# Altium PCB Phone.PcbDoc
Units mm, origin at the board's own origin, x right, y up, seen from the top; angles counter-clockwise.
Board outline 40 x 100 mm, 2 copper layers (Top Layer, Bottom Layer); 80 components, 91 nets, 275 pads, 70 vias.
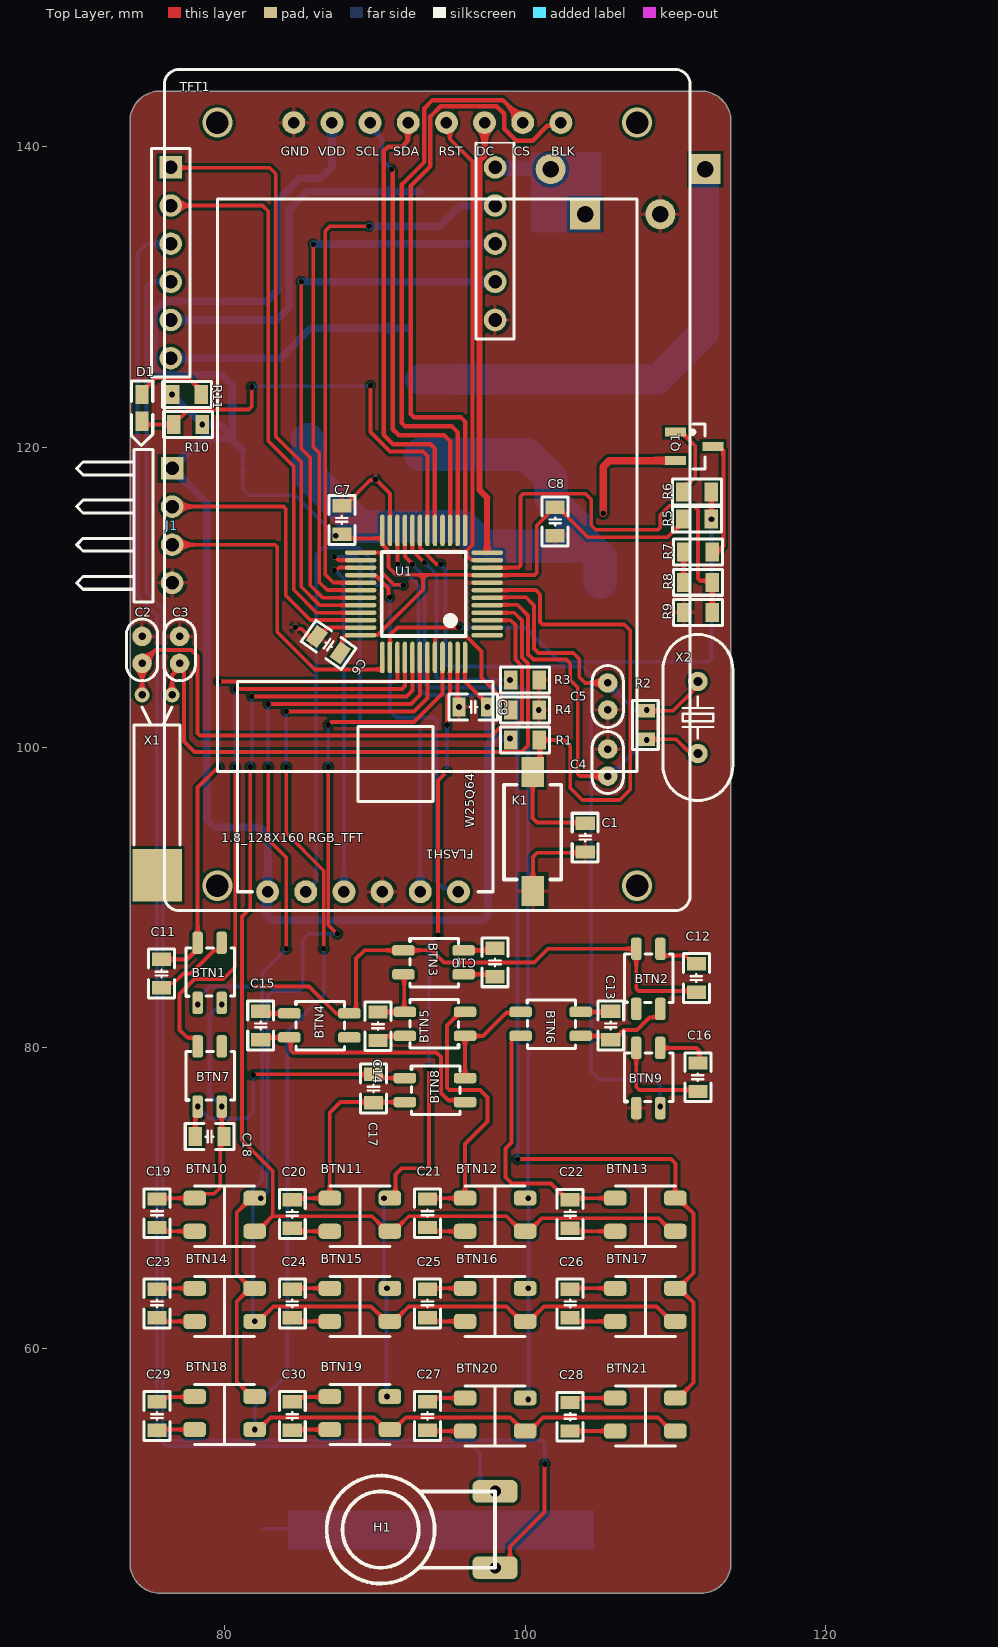
[diagram p0: Top Layer view]
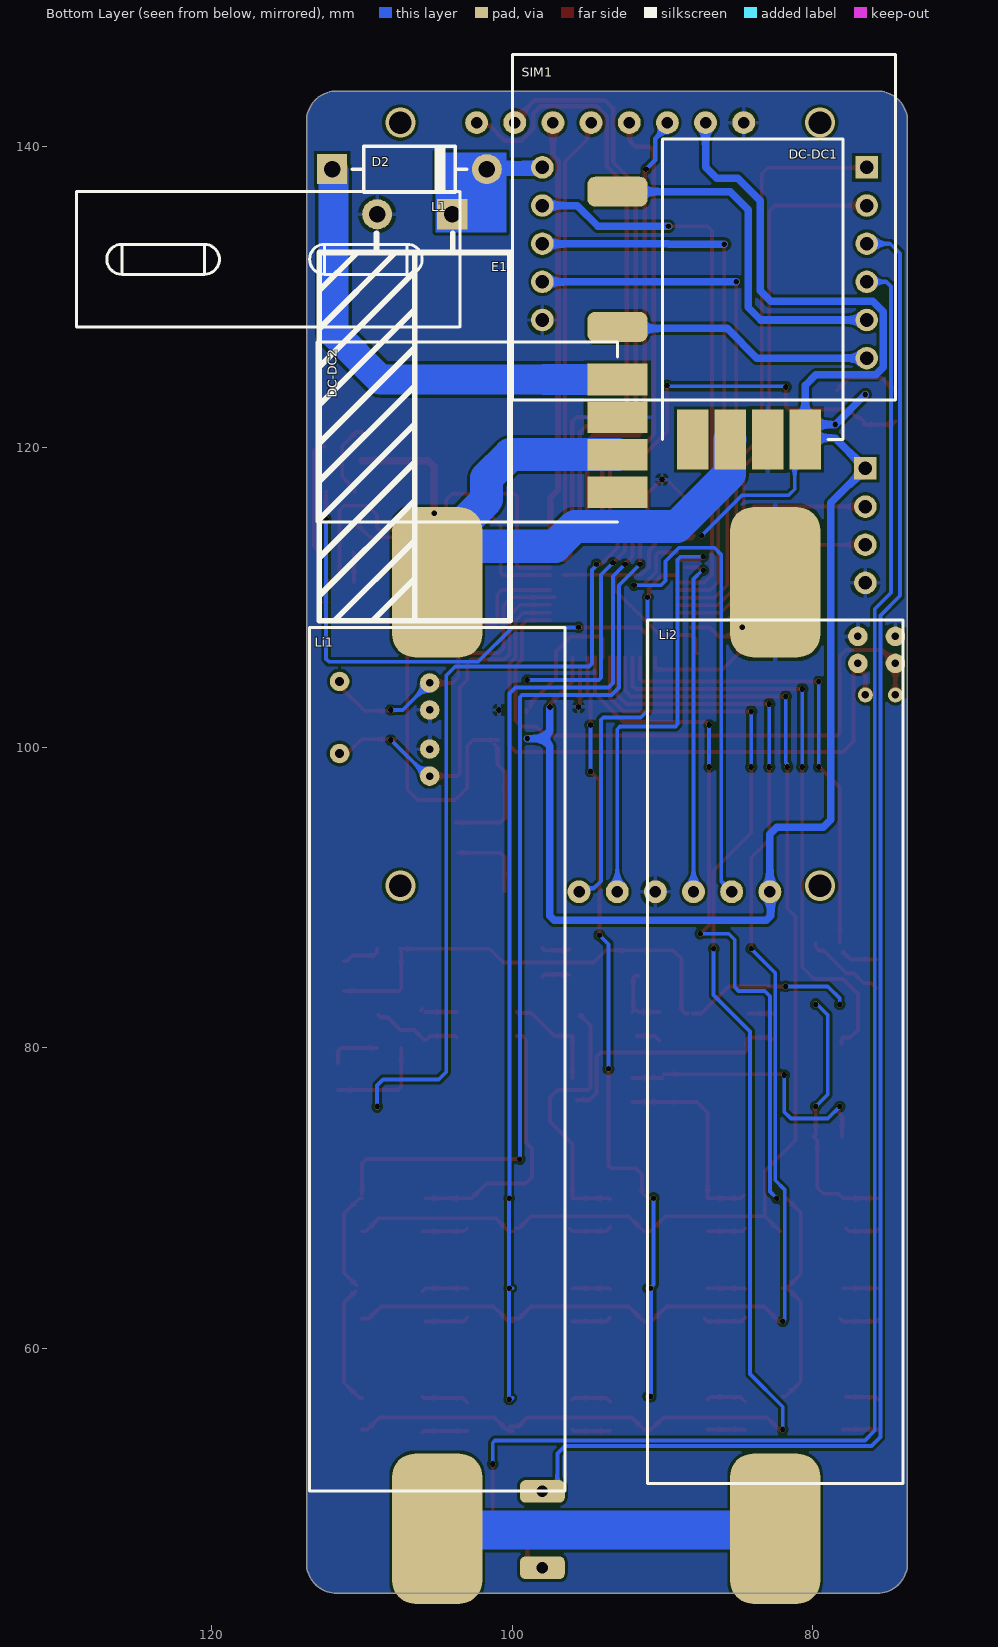
[diagram p1: Bottom Layer view, seen from below]
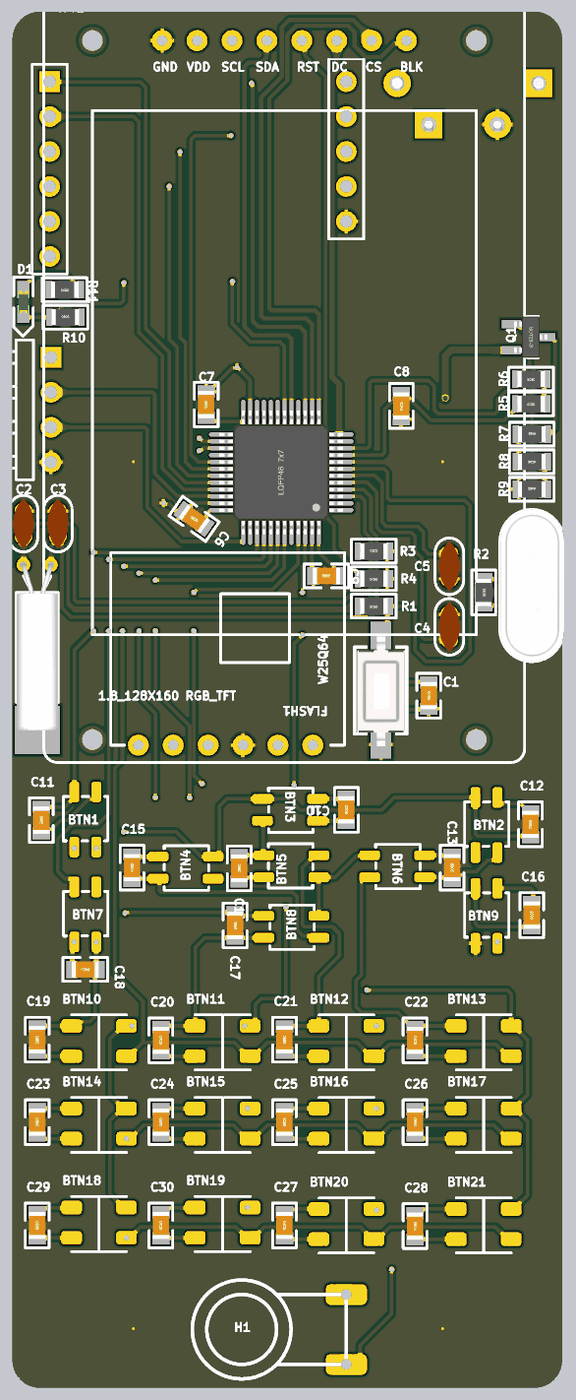
[diagram p2: 3D render of the assembled board from above, using the file's embedded part models]

## Layer stack, top to bottom
Top Solder: solder mask 0.0102, Solder Resist, Dk 3.5
Top Layer: signal copper 0.0356
Dielectric 1: dielectric 0.32, FR-4, Dk 4.8
Bottom Layer: signal copper 0.0356
Bottom Solder: solder mask 0.0102, Solder Resist, Dk 3.5

## Board outline
73.7,45.7 73.7,141.7 cw(c75.7,141.7) 75.7,143.7 111.7,143.7 cw(c111.7,141.7) 113.7,141.7 113.7,45.7 cw(c111.7,45.7) 111.7,43.7 75.7,43.7 cw(c75.7,45.7)

## Design rules (kind name [scope] priority, off if disabled: settings)
Clearance [(InNamedPolygon('buttom_GND') OR InNamedPolygon('top_GND'))] p1: gap=0.203 ignorepadtopadclearanceinfootprint=TRUE
ComponentClearance [All] p1: gap=0.254 collisioncheckmode=3 verticalgap=0 showdistances=FALSE donotcheckwithout3dbody=TRUE
DiffPairsRouting [All] p1: maxlimit=0.254 minlimit=0.1 mostfreqgap=0.254 toplayer_minwidth=0.381 toplayer_maxwidth=0.381 toplayer_prefwidth=0.381 bottomlayer_minwidth=0.381 bottomlayer_maxwidth=0.381 bottomlayer_prefwidth=0.381 maxuncoupledlength=2.54
HoleToHoleClearance [All] p1: gap=0.18 allowstackedmicrovias=TRUE
MinimumSolderMaskSliver [All] p1: minsoldermaskwidth=0.18
PolygonConnect [All] p1: connectstyle=Relief reliefconductorwidth=0.254 reliefentries=4 polygonreliefangle="90 Angle" airgapwidth=0.254
RoutingVias [All] p1: holewidth=0.711 width=1.27 viastyle="Through Hole" minholewidth=0.254 minwidth=0.254 maxholewidth=0.711 maxwidth=2.54
SilkToSilkClearance [All] p1: silktosilkclearance=0
SilkToSolderMaskClearance [IsPad] p1: minsilkscreentomaskgap=0 clearancetoexposedcopper=TRUE
SolderMaskExpansion [All] p1: expansion=0.102 istentingtop=FALSE
UnRoutedNet [All] p1: checkbadconnections=TRUE
Width [All] p1: maxlimit=5 minlimit=0.254 preferedwidth=0.254
23 further rules are at their usual default settings.

## Classes and differential pairs
component class SIM800L: D2 E1 H1 L1 SIM1
component class flash: FLASH1
component class DISPLAY: TFT1
component class DC_DC: DC-DC1 DC-DC2 Li1 Li2
component class BUTTON: BTN1 BTN2 BTN3 BTN4 BTN5 BTN6 BTN8 BTN9 BTN10 BTN11 BTN12 BTN13 BTN14 BTN15 BTN16 BTN17 BTN18 BTN19 BTN20 BTN21 C10 C11 C12 C13 C14 C15 C16 C17 C18 C20 C21 C22 C23 C24 C25 C26 C27 C28 C29 C30
component class ACDC: R5 R6 R7 R8 R9
component class STM32_miniSystem: C1 C2 C3 C4 C5 C6 C7 C8 C9 D1 J1 K1 R1 R2 R3 R4 R10 R11 U1 X1 X2

## Components (designator, comment, footprint, x,y, rotation, side; value= is the part's Value field where it differs from the comment)
BTN1 "3X4X2" 3X4X2按钮 78.2,87 r0 top locked
BTN2 "3X4X2" 3X4X2按钮 107.4,86.6 r0 top
BTN3 "3X4X2" 3X4X2按钮 95.9,86.5 r270 top
BTN4 "3X4X2" 3X4X2按钮 88.3,82.3 r270 top
BTN5 "3X4X2" 3X4X2按钮 92,80.8 r90 top
BTN6 "3X4X2" 3X4X2按钮 103.7,82.4 r270 top
BTN7 "3X4X2" 3X4X2按钮 78.2,80.1 r0 top
BTN8 "3X4X2" 3X4X2按钮 96,78 r270 top
BTN9 "3X4X2" 3X4X2按钮 107.4,80 r0 top locked
BTN10 "3X3X1.5" 3X3X1.5 78,67.8 r90 top
BTN11 "3X3X1.5" 3X3X1.5 87,67.8 r90 top
BTN12 "3X3X1.5" 3X3X1.5 96,67.8 r90 top
BTN13 "3X3X1.5" 3X3X1.5 106,67.8 r90 top
BTN14 "3X3X1.5" 3X3X1.5 78,61.8 r90 top
BTN15 "3X3X1.5" 3X3X1.5 87,61.8 r90 top
BTN16 "3X3X1.5" 3X3X1.5 96,61.8 r90 top
BTN17 "3X3X1.5" 3X3X1.5 106,61.8 r90 top
BTN18 "3X3X1.5" 3X3X1.5 78,54.6 r90 top
BTN19 "3X3X1.5" 3X3X1.5 87,54.6 r90 top
BTN20 "3X3X1.5" 3X3X1.5 96,54.5 r90 top
BTN21 "3X3X1.5" 3X3X1.5 106,54.5 r90 top
C1 "104" "C 0805_L" 104,94 r90 top
C2 "15pf" "CC 1.8*3.6" 74.5,106.5 r270 top
C3 "15pf" "CC 1.8*3.6" 77,106.5 r270 top
C4 "30pf" "CC 1.8*3.6" 105.5,99 r270 top
C5 "30pf" "CC 1.8*3.6" 105.5,103.4 r90 top
C6 "104" "C 0805_L" 86.922,106.845 r325 top
C7 "104" "C 0805_L" 87.8,115.15 r270 top
C8 "104" "C 0805_L" 102,115.05 r90 top
C9 "104" "C 0805_L" 96.55,102.7 r0 top
C10 "104" "C 0805_L" 98,85.7 r270 top
C11 "104" "C 0805_L" 75.8,84.95 r270 top
C12 "104" "C 0805_L" 111.4,84.65 r90 top
C13 "104" "C 0805_L" 105.7,81.5 r270 top
C14 "104" "C 0805_L" 90.2,81.45 r90 top
C15 "104" "C 0805_L" 82.4,81.5 r270 top
C16 "104" "C 0805_L" 111.5,78.05 r90 top
C17 "104" "C 0805_L" 89.9,77.3 r270 top
C18 "104" "C 0805_L" 79,74.1 r180 top
C19 "104" "C 0805_L" 75.5,69 r270 top
C20 "104" "C 0805_L" 84.5,68.95 r270 top
C21 "104" "C 0805_L" 93.5,69 r270 top
C22 "104" "C 0805_L" 103,68.95 r270 top
C23 "104" "C 0805_L" 75.5,63 r270 top
C24 "104" "C 0805_L" 84.5,63 r270 top
C25 "104" "C 0805_L" 93.5,63 r90 top
C26 "104" "C 0805_L" 103,63 r270 top
C27 "104" "C 0805_L" 93.5,55.5 r270 top
C28 "104" "C 0805_L" 103,55.45 r270 top
C29 "104" "C 0805_L" 75.5,55.5 r270 top
C30 "104" "C 0805_L" 84.5,55.5 r270 top
D1 "LED" LED-0603G 74.493,123.5 r270 top
D2 "DIODE" DO-15 106.85,138.5 r180 bottom locked
DC-DC1 "DC-DC" DC-DC 88,120.5 r90 bottom locked
DC-DC2 "DC-DC" DC-DC 93,117 r0 bottom locked
E1 "1000uF" "CAP 5.0*12.5*25-H - GD" 106.5,135.5 r0 bottom locked
FLASH1 "64MB_FLASH" 64MB_FLASH 82.86,90.4 r90 top locked
H1 "话筒" 话筒 98,50.48 r270 top locked
J1 "Pin HDR1X4" "Pin HDR1X4/2.54mm-W" 76.5,118.58 r270 top
K1 "KEY" SMD-3X6X2.5 100.5,90.5 r90 top locked
L1 "扬声器" 扬声器 129,137 r180 bottom locked
Li1 "Li-Li" 单个5号电池盒#1 105,111 r0 bottom
Li2 "Li-Li" 单个5号电池盒#2 82.5,48 r180 bottom locked
Q1 "P-MOS" SOT23 110,121 r270 top
R1 "10KΩ" "R 0805_L" 100,100.5 r180 top
R2 "0Ω" "R 0805_L" 108,101.5 r270 top
R3 "10K" "R 0805_L" 100,104.5 r0 top
R4 "10K" "R 0805_L" 100,102.5 r180 top locked
R5 "100k" "R 0805_L" 111.45,115.2 r180 top
R6 "1k" "R 0805_L" 111.45,117 r180 top
R7 "10K" "R 0805_L" 111.499,113.004 r0 top
R8 "10K" "R 0805_L" 111.499,111 r180 top
R9 "10K" "R 0805_L" 111.499,109 r0 top
R10 "10K" "R 0805_L" 77.55,121.5 r0 top
R11 "100" "R 0805_L" 77.5,123.5 r180 top
SIM1 "SIM800L" SIM800L 98,138.62 r180 bottom locked
TFT1 "1.8TFT" 1.8TFT 76.98,144.14 r0 top locked
U1 "STM32F103C8T6" "LQFP48 7X7" 93.25,110.227 r90 top locked
X1 "32.768K" OSC-3x10-WI-B 75.5,103.5 r180 top
X2 "8M" "OSC HC-49S" 111.5,102 r270 top

## Footprints (in the part's own frame and the unit in brackets; to place one, negate y for a bottom-side part, rotate by r counter-clockwise, add the part's x,y. Pads: shape width x height; smd on the part's side, far side on the other; paste and mask are expansions set on the pad)
1.8TFT [mil]
  round 60 hole 30: 1(300,-100) 2(400,-100) 3(500,-100) 4(600,-100) 5(700,-100) 6(800,-100) 7(900,-100) 8(1000,-100)
  silkscreen extent -39,-2165 1339,39
3X3X1.5 [mm]
  rrect50% 1x1.5 / inner rrect50% 1x0 / far side rrect50% 1x0 all layers, no hole: 1(0,0) 3(0,-4)
  rrect50% 1x1.5 / inner rrect50% 1x1.5 / far side rrect50% 1x0 all layers, no hole: 2(2.2,0) 4(2.2,-4)
  silkscreen extent -1,-4 3,0
3X4X2按钮 [mm]
  rrect50% 0.7x1.5 / inner rrect50% 0.7x0 / far side rrect50% 0.7x0 all layers, no hole: 1(0,0) 2(1.6,0) 3(0,-4) 4(1.6,-4)
  silkscreen extent -0.79,-3.56 2.44,-0.33
64MB_FLASH [mil]
  round 60 hole 30: 1(0,0) 2(0,-100) 3(0,-200) 4(0,-300) 5(0,-400) 6(0,-500)
  silkscreen extent 0,-591 551,79
"C 0805_L" [mil] "无极性贴片电容"
  rect 35x50 smd: 1(-37.4,0) 2(37.4,0)
  silkscreen extent -64,-34 64,34, body extent -39,-24 39,24, height 20
"CAP 5.0*12.5*25-H - GD" [mm] "脚距5mm直径12.5mm高度25mm"
  rect 2x2 hole 1.1: 1(-2.5,0)
  round 2 hole 1.1: 2(2.5,0)
  silkscreen extent -6.35,1.27 6.35,27.05, body extent -6.24,-0.3 6.26,26.91, height 12.52
"CC 1.8*3.6" [mm] "脚距1.8mm直径3.6mm"
  round 1.3 hole 0.5: 1(-0.9,0) 2(0.9,0)
  silkscreen extent -2.05,-1.04 2.05,1.04, body extent -1.8,-0.8 1.8,0.8, height 3.6
DC-DC [mm]
  rect 4x2.1 smd: 1(0,0) 2(0,-2.5) 3(0,-5) 4(0,-7.5)
  silkscreen extent 0,-10 20,2
DO-15 [mm] "3.3*10.3mm(直径，脚距）"
  rect 2x2 hole 1.1: 1(-5.15,0)
  round 2 hole 1.1: 2(5.15,0)
  silkscreen extent -3.81,-1.52 3.81,1.52, body extent -5.55,-1.64 5.55,1.64, height 3.35
LED-0603G [mil]
  rect 50x35 smd: A(0,0.26) K(70,0.26)
  silkscreen extent -36,-28 134,28, body extent 4,-15 66,17, height 24
"LQFP48 7X7" [mm]
  oval 0.3x2.1 smd: 1(-2.75,-4.227) 2(-2.25,-4.227) 3(-1.75,-4.227) 4(-1.25,-4.227) 5(-0.75,-4.227) 6(-0.25,-4.227) 7(0.25,-4.227) 8(0.75,-4.227) 9(1.25,-4.227) 10(1.75,-4.227) 11(2.25,-4.227) 12(2.75,-4.227) 25(2.75,4.202) 26(2.25,4.202) 27(1.75,4.202) 28(1.25,4.202) 29(0.75,4.202) 30(0.25,4.202) 31(-0.25,4.202) 32(-0.75,4.202) 33(-1.25,4.202) 34(-1.75,4.202) 35(-2.25,4.202) 36(-2.75,4.202)
  oval 2.1x0.3 smd: 13(4.227,-2.75) 14(4.227,-2.25) 15(4.227,-1.75) 16(4.227,-1.25) 17(4.227,-0.75) 18(4.227,-0.25) 19(4.227,0.25) 20(4.227,0.75) 21(4.227,1.25) 22(4.227,1.75) 23(4.227,2.25) 24(4.227,2.75) 37(-4.227,2.75) 38(-4.227,2.25) 39(-4.227,1.75) 40(-4.227,1.25) 41(-4.227,0.75) 42(-4.227,0.25) 43(-4.227,-0.25) 44(-4.227,-0.75) 45(-4.227,-1.25) 46(-4.227,-1.75) 47(-4.227,-2.25) 48(-4.227,-2.75)
  silkscreen extent -2.79,-2.79 2.79,2.79, body extent -4.51,-4.5 4.5,4.5, height 1.45
"OSC HC-49S" [mm]
  round 1.3 hole 0.6: 1(-2.4,0) 2(2.4,0)
  silkscreen extent -5.52,-2.32 5.52,2.33, body extent -5.53,-2.29 5.53,2.36, height 4.13
OSC-3x10-WI-B [mm]
  rect 3.3x3.5 smd: 0(0,12)
  round 1 hole 0.5: 1(-1,0) 2(1,0)
  silkscreen extent -1.52,0.8 1.52,10, body extent -1.5,-0.13 1.5,12.05, height 3.03
"Pin HDR1X4/2.54mm-W" [mm] "Connector; Header; 4 Position; Right Angle"
  rect 1.5x1.5 hole 0.9: 1(0,0)
  round 1.5 hole 0.9: 2(2.54,0) 3(5.08,0) 4(7.62,0)
  silkscreen extent -1.27,-6.35 8.89,-1.27, body extent -1.27,-10 8.89,0.35, height 2.54
"R 0805_L" [mil] "1/8W贴片电阻"
  rect 35x50 smd: 1(-37.4,0) 2(37.4,0)
  silkscreen extent -64,-34 64,34, body extent -39,-25 39,25, height 20
SIM800L [mm]
  round 1.5 hole 0.9: 1(0,0) 2(0,-2.54) 3(0,-5.08) 4(0,-7.62) 5(0,-10.16) 7(21.59,-2.54) 8(21.59,-5.08) 9(21.59,-7.62) 10(21.59,-10.16) 11(21.59,-12.7)
  rect 1.5x1.5 hole 0.9: 6(21.59,0)
  silkscreen extent -2,-15.5 23.5,7.5
SMD-3X6X2.5 [mm]
  rect 2x1.5 smd: 1(-0.059,-0.02) 3(7.874,0)
  silkscreen extent 0.73,-1.9 7.03,1.9, body extent -0.19,-1.78 7.81,1.72, height 2.59
SOT23 [mm]
  rect 0.6x1.4 smd: D(0.95,2.514) G(0,0) S(1.9,0)
  silkscreen extent -0.55,1.02 2.45,1.97, body extent -0.56,0.22 2.44,2.62, height 1.05
单个5号电池盒#1 [mm]
  rrect50% 6x10 / inner round 0 / far side rrect50% 0x0 all layers, no hole: 1(0,0)
  rrect50% 6x10 / inner oval 6x10 / far side rrect50% 6x0 all layers, no hole: 2(0,63)
  silkscreen extent -8.5,3 8.5,60.5
单个5号电池盒#2 [mm]
  rrect50% 6x10 / inner oval 6x10 / far side rrect50% 6x0 all layers, no hole: 1(0,0)
  rrect50% 6x10 / inner round 0.025 / far side round 0 all layers, no hole: 2(0,63)
  silkscreen extent -8.5,3 8.5,60.5
扬声器 [mm]
  rrect50% 4x2 / inner rrect50% 1.524x0 / far side rrect50% 1.524x0 all layers, no hole: 1(36,0) 2(36,-9)
  silkscreen extent 0,-9 25.5,0
话筒 [mm]
  rrect50% 1.5x3 hole 0.762: 1(0,0) 2(5.08,0)
  silkscreen extent -1.05,-11.21 6.13,0

## Part data
C1 C6 C7 C8 C9 C10 C11 C12 C13 C14 C15 C16 C17 C18 C19 C20 C21 C22 C23 C24 C25 C26 C27 C28 C29 C30: library part C, "无极性贴片电容", BOM名称=无极性贴片电容, 学习资源=www.ooocke.com, 材质=X7R, 版权归属=源创客
C2 C3: library part C-CC_1, "直插瓷片电容", BOM名称=直插瓷片电容, 学习资源=www.ooocke.com, 版权归属=源创客
C4 C5: library part C-CC_2, "直插瓷片电容", BOM名称=直插瓷片电容, 学习资源=www.ooocke.com, 版权归属=源创客
D2: "普通二极管"
E1: library part C-CAP, "直插电解电容", BOM名称=直插电解电容, 学习资源=www.ooocke.com, 版权归属=源创客
Q1: "P沟道场效应管"
R1 R2: library part R, "贴片电阻", BOM名称=贴片电阻, 学习资源=www.ooocke.com, 版权归属=源创客
R3 R4 R7 R8 R9 R10: library part R_3, "贴片电阻", BOM名称=贴片电阻, 学习资源=www.ooocke.com, 版权归属=源创客
R5 R6 R11: library part R_2, "贴片电阻", BOM名称=贴片电阻, 学习资源=www.ooocke.com, 版权归属=源创客
X1: library part XTAL-2P, "32.768K_2脚无源脚晶振"
X2: library part XTAL-2P_1, "8M_2脚无源脚晶振"

## Via types
v1: diameter 0.381, hole 0.381, Top Layer to Bottom Layer, 66 vias
v2: diameter 2/2 (per signal layer), hole 1.5, Top Layer to Bottom Layer, tented top, 4 vias

## Nets (pads, with @x,y where several pads share a name; then routed paths per layer and width w, separated by ;. In a path a pad name is that pad's centre, name@x,y a point inside that pad or via, vN(x,y) a via of type N, cw(c..) or ccw(c..) an arc to the next point about the centre after c; other vN are vias at no path point)
+5: D2.1 DC-DC2.4 | length 31
  Bottom Layer w2: DC-DC2.4 108.8,124.5 111.9,127.6 D2.1@111.9,138.4
+IN: DC-DC1.2 DC-DC2.2 Li1.1 Q1.S | length 49.1
  Top Layer w0.5: v1(105.2,115.6) 105.2,118.7 105.6,119.1 Q1.S
  Bottom Layer w2.2: DC-DC1.2 85.55,120.45 85.55,118.203 89.026,114.727 95.838,114.727 97.165,113.4 103.13,113.4 103.13,114.5 105,112.63 Li1.1 ; DC-DC2.2 100.156,119.5 101.712,117.944 101.712,116.505 103.406,114.811 Li1.1@103.406,114.225
BOOT0: R4.2 U1.44 | length 9.4
  Top Layer w0.254: U1.44 94,107.251 94.149,107.4 96.1,107.4 97.1,106.4 97.1,104.641 98.8,102.941 R4.2@98.8,102.7 ; R4.2@99.05,102.31 R4.2
BOOT1: R3.1 U1.20 | length 14.9
  Top Layer w0.254: U1.20@92.5,113.9 92.5,113.1 v1(93.3,112.3)
  Bottom Layer w0.254: v1(93.3,112.3) 94.1,111.5 94.1,104.649 94.249,104.5 v1(99,104.5)
BUTTON_H1: BTN1.1 C11.1 U1.39 | length 33.8
  Top Layer w0.254: C11.1 77.5,85.9 BTN1.1@78,86.4 ; BTN1.1 78.2,97.334 79.502,98.637 v1@79.541,98.676 ; v1(79.6,104.4) 91.351,104.4 91.5,104.549 U1.39
  Bottom Layer w0.254: v1(79.6,98.7) v1(79.6,104.4)
BUTTON_H2: BTN7.1 U1.40 | length 40.3
  Top Layer w0.254: BTN7.1@78.1,80.3 78.1,80.574 77.981,80.693 77.507,80.693 77,81.2 77,83.6 78,84.6 79.9,84.6 80.7,85.4 v1(80.7,98.7) ; v1(80.7,103.9) 91.8,103.9 92,104.1 U1.40
  Bottom Layer w0.254: v1(80.7,98.7) v1(80.7,103.9)
BUTTON_H3: BTN10.3 BTN11.3 BTN12.3 BTN13.3 U1.41 | length 78.6
  Top Layer w0.254: v1(81.7,98.7) 81.7,89.302 81.146,88.748 81.146,73.854 83.2,71.8 83.2,68.9 ; v1(81.8,103.4) 92.1,103.4 92.5,103.8 U1.41 ; BTN10.3@82.183,67.8 82.623,68.24 83.228,68.844 ; 83.25,68.8 89.817,68.8 90.817,67.8 BTN11.3 91.25,67.8 92.25,68.8 98.75,68.8 99.55,68 BTN12.3@99.8,68 ; BTN12.3 100.25,67.8 101.121,68.672 108.878,68.672 109.75,67.8 BTN13.3
  Bottom Layer w0.254: v1(81.7,98.7) 81.7,98.9 81.8,99 v1(81.8,103.4)
BUTTON_H4: BTN14.3 BTN15.3 BTN16.3 BTN17.3 U1.42 | length 86
  Top Layer w0.254: v1(82,61.8) 82.25,61.8 83.25,62.8 89.75,62.8 90.75,61.8 BTN15.3 91.25,61.8 92.25,62.8 98.75,62.8 99.55,62 BTN16.3@100.2,62 ; v1(82.9,98.7) 82.9,93.888 84.1,92.688 v1(84.1,86.6) ; v1(82.9,102.9) 92.4,102.9 93,103.5 U1.42 ; BTN16.3 100.25,61.8 101.25,62.8 108.75,62.8 109.55,62 BTN17.3@110,62
  Bottom Layer w0.254: v1(82,61.8) 81.873,61.927 81.873,70.573 82.5,71.2 82.5,85 v1(84.1,86.6) ; v1@82.841,98.7 82.9,98.759 v1(82.9,102.9)
BUTTON_H5: BTN18.3 BTN19.3 BTN20.3 BTN21.3 U1.43 | length 93.4
  Top Layer w0.254: v1(82,54.6) 82.25,54.6 83.05,55.4 89.95,55.4 90.75,54.6 BTN19.3 91.25,54.6 92.05,55.4 99.012,55.4 99.453,54.959 99.453,54.864 99.517,54.8 BTN20.3@100.2,54.8 ; v1(84.1,98.7) 84.1,94.3 86.6,91.8 v1(86.6,86.6) ; v1(84.1,102.4) 92.6,102.4 93.5,103.3 U1.43 ; BTN20.3 100.3,54.5 101.2,55.4 108.85,55.4 109.65,54.6 BTN21.3@110,54.6
  Bottom Layer w0.254: v1(82,54.6) 82,56.12 84.173,58.293 84.173,81.103 86.6,83.53 v1(86.6,86.6) ; v1@84.041,98.7 84.1,98.759 v1(84.1,102.4)
BUTTON_L1: BTN10.4 BTN14.4 BTN18.4 U1.45 | length 62.2
  Top Layer w0.254: BTN10.4@81.8,70 81.75,70 80.8,69.05 80.8,64.95 BTN14.4@81.717,64.033 ; BTN18.4 81.8,56.8 80.8,57.8 80.8,63.117 BTN14.4@81.717,64.033 ; BTN14.4 81.75,64 BTN14.4@81.717,64.033 ; v1(86.9,98.7) 86.9,88.166 87.466,87.6 v1(87.5,87.6) ; v1@86.941,101.541 86.948,101.535 87.112,101.7 92.6,101.7 94.5,103.6 U1.45
  Bottom Layer w0.254: v1(82.4,70) 82.847,70.447 82.847,83.447 83.2,83.8 84.951,83.8 85.2,84.049 85.2,87.2 85.6,87.6 v1(87.5,87.6) ; v1(86.9,98.7) v1(86.9,101.5)
BUTTON_L2: BTN11.4 BTN15.4 BTN19.4 U1.46 | length 52.6
  Top Layer w0.254: v1(90.6,70) 91.009,70 91.373,70.364 91.373,71.573 91.8,72 93.451,72 93.6,72.149 93.6,78.613 v1(93.604,78.617) ; v1(94.2,87.5) 94.2,97.8 v1(94.8,98.4) ; v1(94.8,101.5) 94.8,103.4 95,103.6 95,103.9 U1.46
  Bottom Layer w0.254: v1(90.6,70) 90.6,64.234 90.8,64.034 v1(90.8,64) ; BTN19.4 v1(90.8,56.8) 90.773,56.827 90.773,63.973 v1(90.8,64) ; BTN15.4 v1(90.8,64) ; v1(93.604,78.617) 93.604,86.904 v1@94.1,87.4 ; v1(94.8,98.4) 94.8,101.4 v1@94.9,101.5
BUTTON_L3: BTN12.4 BTN16.4 BTN20.4 U1.21 | length 64.8
  Top Layer w0.254: U1.21@92,113.9 92,112.724 92.5,112.224 v1(92.5,112.2)
  Bottom Layer w0.254: v1(92.5,112.2) 93.3,111.4 93.3,104.3 93.6,104 99.8,104 100.2,103.6 v1(100.2,70) 100.227,69.973 100.227,64.027 v1(100.2,64) ; BTN20.4 100.1,56.6 v1(100.2,56.6) 100.227,56.627 100.227,63.973 v1(100.2,64) ; BTN16.4 v1(100.2,64)
BUTTON_L4: BTN13.4 BTN17.4 BTN21.4 U1.22 | length 75.3
  Top Layer w0.254: v1(91.5,112.2) U1.22@91.5,113.7 ; v1(99.5,72.6) 109.7,72.6 110,72.3 BTN13.4@110,70.3 ; BTN21.4 110.183,56.7 111.2,57.717 111.2,63.05 BTN17.4@110.45,63.8 ; BTN13.4 110.183,70 111.2,68.983 111.2,65.017 BTN17.4@110.383,64.2
  Bottom Layer w0.254: v1(91.5,112.2) 92.9,110.8 92.9,104 93.4,103.5 99.351,103.5 99.5,103.351 v1(99.5,72.6)
BUTTON_WKUP: BTN9.4 U1.19 | length 52.6
  Top Layer w0.254: U1.19 93,113.3 94.1,112.2 v1(94.4,112.2)
  Bottom Layer w0.254: v1(94.4,112.2) 94.4,112.123 94.7,111.823 94.7,105.6 94.9,105.4 103.8,105.4 104.4,104.8 104.4,78.4 104.9,77.9 108.6,77.9 109,77.5 BTN9.4
  other v1: 109,76.1
GND: BTN9.3 C1.1 C2.1 C3.1 C4.1 C5.1 C6.1 C7.1 C8.1 C9.1 DC-DC1.3 DC-DC2.3 E1.2 FLASH1.4 J1.4 K1.1 Li2.2 R3.2 R4.1 R9.1 SIM1.5 TFT1.1 U1.8 U1.23 U1.35 U1.47 | length 18.4
  Top Layer w0.254: v1@84.8,107.9 84.813,107.913 85.119,107.913 85.642,107.39 C6.1 86.245,107.39 86.855,108 U1.35@88.1,108 ; C7.1 87.99,116.1 89.69,117.8 v1@90,117.8 ; v1@90.1,117.8 91,116.9 U1.23 ; U1.47@95.5,105.2 95.5,102.8 v1(95.6,102.7) ; K1.1 100.52,92.72 100.8,93 C1.1@103.6,93
  other v1: 100.9,102.5 84.7,108 90.044,117.844
NetBTN1_2: BTN1.2 C11.2 | length 5.4
  Top Layer w0.254: C11.2 76.105,84.305 76.605,84.305 77.249,84.949 77.749,84.949 79.286,86.486 79.581,86.486 79.8,86.705 BTN1.2
NetBTN1_3: BTN1.3 BTN2.1 BTN3.3 BTN4.1 C12.1 | length 41.1
  Top Layer w0.254: v1(81.8,84.1) 85.623,84.1 87.423,82.3 BTN4.1@88,82.3 ; BTN4.1 88.529,82.3 88.748,82.519 88.748,85.948 89.3,86.5 BTN3.3@91.8,86.5 ; BTN3.3 93.8,86.5 94.6,85.7 100.608,85.7 101.508,86.6 BTN2.1 ; BTN2.1@107.5,86.6 BTN2.1 ; C12.1@111.2,83.8 107.549,83.8 107.4,83.949 BTN2.1
  Bottom Layer w0.254: BTN1.3 78.2,83.3 79,84.1 v1@81.7,84.1
  other v1: 78.2,82.9
NetBTN1_4: BTN1.4 BTN7.4 BTN10.2 C18.1 C19.1 | length 17.5
  Top Layer w0.254: C19.1 75.55,70 BTN10.2 78.297,70.297 78.769,70.297 78.772,70.3 79.3,70.3 79.7,70.7 79.7,73.85 C18.1 79.8,74.25 79.8,75.8 BTN7.4@79.9,75.9
  Bottom Layer w0.254: v1(79.8,76.1) 79,76.9 79,82.2 BTN1.4
  other v1: 79.8,82.9
NetBTN2_2: BTN2.2 C12.2 | length 2.7
  Top Layer w0.254: BTN2.2 109,86.371 109.219,86.152 110.658,86.152 111.009,85.8 C12.2@111.2,85.8
NetBTN2_4: BTN2.4 BTN6.2 C13.2 | length 6.1
  Top Layer w0.254: BTN6.2@103.7,80.7 103.8,80.8 105.45,80.8 C13.2 105.89,80.55 106.54,81.2 107.437,81.2 108.269,82.032 108.781,82.032 108.9,82.151 BTN2.4@108.9,82.2
NetBTN3_1: BTN3.1 C10.1 | length 1.9
  Top Layer w0.254: BTN3.1@96.2,86.6 96.3,86.5 97.85,86.5 C10.1
NetBTN3_2: BTN3.2 C10.2 | length 1.9
  Top Layer w0.254: BTN3.2@96.2,84.9 97.85,84.9 C10.2
NetBTN3_4: BTN3.4 BTN5.2 C14.2 | length 4.2
  Top Layer w0.254: C14.2 91.6,82.4 BTN5.2@91.7,82.5 ; BTN3.4@91.6,84.8 91.831,84.8 91.95,84.681 91.95,82.45 BTN5.2
NetBTN4_3: BTN4.3 C15.1 | length 1.8
  Top Layer w0.254: C15.1@82.5,82.4 82.6,82.3 BTN4.3
NetBTN4_4: BTN4.4 BTN8.2 C15.2 | length 16.6
  Top Layer w0.254: C15.2@82.7,80.6 82.8,80.7 BTN4.4 84.4,80.6 84.4,79.849 84.549,79.7 94.1,79.7 94.4,79.4 94.4,77 94.869,76.531 95.669,76.531 BTN8.2@95.7,76.5
NetBTN5_1: BTN5.1 C14.1 | length 1.6
  Top Layer w0.254: C14.1 90.5,80.8 BTN5.1@91.7,80.8
NetBTN5_3: BTN5.3 BTN6.3 BTN8.1 | length 7.2
  Top Layer w0.254: BTN8.1 BTN5.3 97.2,80.8 98.736,82.336 99.636,82.336 BTN6.3
NetBTN5_4: BTN5.4 BTN12.2 C21.1 | length 18
  Top Layer w0.254: C21.1 93.55,70 BTN12.2 96,73.6 97.5,75.1 97.5,76.7 97,77.2 94.949,77.2 94.8,77.349 94.8,81.5 95.407,82.107 95.407,82.181 95.426,82.2 BTN5.4@95.5,82.2
NetBTN6_1: BTN6.1 C13.1 | length 2.2
  Top Layer w0.254: BTN6.1 C13.1@105.8,82.4 ; C13.1@106.005,82.595 C13.1@106.1,82.5
NetBTN6_4: BTN6.4 BTN13.2 C22.1 | length 17.6
  Top Layer w0.254: BTN6.4 99.326,80.8 99.107,80.581 99.107,80.435 99.1,80.428 99.1,73.7 98.7,73.3 98.7,71.4 99.117,70.983 101.726,70.983 102.71,70 C22.1@103,70 ; C22.1@103.1,70 BTN13.2@105.8,70
NetBTN7_3: BTN7.3 BTN8.3 C17.1 C18.2 | length 18.4
  Top Layer w0.254: C18.2 78.05,75.481 BTN7.3@78.269,75.7 ; v1(81.9,78.2) 81.934,78.2 81.984,78.25 C17.1 ; C17.1@90,78 BTN8.3
  Bottom Layer w0.254: v1(78.2,76.1) 79,75.3 81.451,75.3 81.9,75.749 v1(81.9,78.2)
NetBTN8_4: BTN8.4 BTN11.2 C17.2 C20.1 | length 13.4
  Top Layer w0.254: C20.1@84.6,70.2 84.8,70 BTN11.2 87,75.7 87.7,76.4 C17.2@89.9,76.4 ; C17.2@90,76.4 BTN8.4
NetBTN9_1: BTN9.1 C16.1 | length 6.9
  Top Layer w0.254: BTN9.1 107.4,77.4 107.6,77.2 C16.1@111.6,77.2
NetBTN9_2: BTN9.2 C16.2 | length 3.5
  Top Layer w0.254: BTN9.2 111.4,80 111.6,79.8 C16.2@111.6,79
NetBTN10_1: BTN10.1 C19.2 | length 2.5
  Top Layer w0.254: C19.2 75.75,67.8 77.6,67.8 BTN10.1@77.8,68
NetBTN11_1: BTN11.1 C20.2 | length 2.6
  Top Layer w0.254: C20.2 84.7,67.8 BTN11.1
NetBTN12_1: BTN12.1 C21.2 | length 2.9
  Top Layer w0.254: C21.2 93.75,67.8 BTN12.1 BTN12.1@96.2,68
NetBTN13_1: BTN13.1 C22.2 | length 3.1
  Top Layer w0.254: C22.2 103.2,67.8 BTN13.1
NetBTN14_1: BTN14.1 C23.2 | length 2.9
  Top Layer w0.254: C23.2 75.75,61.8 BTN14.1 BTN14.1@78.2,62
NetBTN14_2: BTN14.2 C23.1 | length 2.5
  Top Layer w0.254: C23.1 75.55,64 BTN14.2
NetBTN15_1: BTN15.1 C24.2 | length 2.9
  Top Layer w0.254: C24.2 84.75,61.8 BTN15.1 BTN15.1@87.2,62
NetBTN15_2: BTN15.2 C24.1 | length 2.5
  Top Layer w0.254: C24.1 84.55,64 BTN15.2
NetBTN16_1: BTN16.1 C25.1 | length 2.6
  Top Layer w0.254: C25.1 93.75,61.8 BTN16.1
NetBTN16_2: BTN16.2 C25.2 | length 2.5
  Top Layer w0.254: C25.2 93.55,64 BTN16.2
NetBTN17_1: BTN17.1 C26.2 | length 2.9
  Top Layer w0.254: C26.2 103.25,61.8 BTN17.1@105.8,61.8
NetBTN17_2: BTN17.2 C26.1 | length 3.1
  Top Layer w0.254: C26.1 103.05,64 105.8,64 BTN17.2@106,63.8
NetBTN18_1: BTN18.1 C29.2 | length 2.5
  Top Layer w0.254: C29.2 75.55,54.6 BTN18.1
NetBTN18_2: BTN18.2 C29.1 | length 2.4
  Top Layer w0.254: C29.1 75.817,56.768 77.768,56.768 BTN18.2@77.8,56.8
NetBTN19_1: BTN19.1 C30.2 | length 2.5
  Top Layer w0.254: C30.2 84.55,54.6 BTN19.1
NetBTN19_2: BTN19.2 C30.1 | length 2.7
  Top Layer w0.254: C30.1 84.817,56.768 86.832,56.768 BTN19.2@87,56.6
NetBTN20_1: BTN20.1 C27.2 | length 2.6
  Top Layer w0.254: C27.2 93.55,54.5 95.9,54.5 BTN20.1@96,54.6
NetBTN20_2: BTN20.2 C27.1 | length 2.6
  Top Layer w0.254: C27.1 93.75,56.7 95.9,56.7 BTN20.2@96,56.6
NetBTN21_1: BTN21.1 C28.2 | length 3
  Top Layer w0.254: C28.2 105.9,54.5 BTN21.1@106,54.4
NetBTN21_2: BTN21.2 C28.1 | length 3.2
  Top Layer w0.254: C28.1 103.3,56.7 105.9,56.7 BTN21.2@106,56.8
NetD1_A: D1.A R11.1 | length 4.8
  Top Layer w0.254: D1.A 74.5,123.69 75.41,124.6 77.6,124.6 78.133,124.067 78.133,124.008 78.341,123.8 R11.1@78.4,123.8
NetH1_1: H1.1 SIM1.8 | length 106.4
  Bottom Layer w0.254: SIM1.8 74.84,133.54 74.2,132.9 74.2,110.1 75.5,108.8 75.5,54.1 76.1,53.5 96.5,53.5 97.002,52.998 97.002,50.798 H1.1@97.3,50.5
NetH1_2: H1.2 SIM1.9 | length 113.9
  Top Layer w0.254: H1.2 98.394,45.4 98.998,46.004 98.998,46.798 101.3,49.1 v1(101.3,52.3)
  Bottom Layer w0.254: SIM1.9 75.1,131 74.8,130.7 74.8,110.3 75.873,109.227 75.873,54.527 76.527,53.873 101.151,53.873 101.3,53.724 v1@101.3,52.4
NetL1_1: L1.1 SIM1.10 | length 23.9
  Bottom Layer w0.5: SIM1.10@76.5,128.3 76.66,128.46 83.467,128.46 84.3,129.293 84.3,135.8 85.5,137 L1.1
NetL1_2: L1.2 SIM1.11 | length 16.7
  Bottom Layer w0.5: SIM1.11 83.72,125.92 85.7,127.9 L1.2@92.3,127.9
NetLi1_2: Li1.2 Li2.1 | length 22
  Bottom Layer w0.254: Li2.1 104.2,48 Li1.2@104.4,48.2
NetQ1_D: Q1.D R7.2 | length 7.7
  Top Layer w0.254: Q1.D 112.914,120.05 113.2,119.764 113.2,113.4 R7.2@112.8,113
NetQ1_G: Q1.G R6.2 | length 5.1
  Top Layer w0.254: Q1.G 110.4,121 111.327,120.073 111.327,118.018 110.5,117.19 R6.2
NetR7_1: R7.1 R8.2 | length 2
  Top Layer w0.254: R8.2 110.549,112.949 R7.1@110.6,113
OSC32_IN: C2.2 U1.3 X1.2 | length 42
  Top Layer w0.254: X1.2 C2.2@74.5,105.5 ; C2.2 75.4,106.5 77.8,106.5 78.2,106.1 78.2,100.949 78.349,100.8 97.8,100.8 98.4,101.4 99.4,101.4 99.8,101.8 99.8,105.4 99.35,105.85 99.35,108.15 99.023,108.477 U1.3
OSC32_OUT: C3.2 U1.4 X1.1 | length 41.4
  Top Layer w0.254: X1.1 76.5,104.817 C3.2@77,105.317 ; C3.2@77.1,105.3 77.1,105.217 77.3,105.017 77.3,100.4 78,99.7 99.751,99.7 100.2,100.149 100.2,105.6 99.8,106 99.8,108.454 99.277,108.977 U1.4
OSC_IN: C4.2 R2.2 U1.5 X2.2 | length 25.9
  Top Layer w0.254: U1.5@97.5,109.5 99.482,109.5 100.2,108.782 100.2,106.2 100.55,105.85 102.75,105.85 103,105.6 103,104.5 103.5,104 103.5,98.249 103.649,98.1 C4.2 ; R2.2@107.809,100.55 R2.2 110.05,100.55 110.8,99.8 111.3,99.8 X2.2
  Bottom Layer w0.254: C4.2 105.668,98.1 108.068,100.5 v1(108.1,100.5)
OSC_OUT: C5.2 R2.1 U1.6 X2.1 | length 21.3
  Top Layer w0.254: U1.6@97.2,110 100.051,110 100.6,109.451 100.6,106.6 100.9,106.3 103.2,106.3 103.6,105.9 103.6,104.7 104,104.3 C5.2 C5.2@105.7,104.1 ; R2.1@107.809,102.45 R2.1 109.85,102.45 111.175,103.775 111.175,103.792 111.4,104.017 X2.1@111.4,104.4
  Bottom Layer w0.254: C5.2 107.3,102.5 v1(108.1,102.5)
PA6: U1.16
RESET: C1.2 K1.3 R1.1 U1.7 | length 40.6
  Top Layer w0.254: U1.7 100.723,110.477 101,110.2 101,108.349 101.149,108.2 106.6,108.2 107,107.8 107,97.2 106.3,96.5 103.8,96.5 103,97.3 103,100.1 102.6,100.5 R1.1 ; R1.1@101.2,100.2 100.992,99.992 100.992,98.866 K1.3 100.5,95.3 100.8,95 C1.2@103.8,95
SIM800L_RESET: SIM1.2 U1.29 | length 37.4
  Top Layer w0.254: U1.29 87.223,110.977 86.7,111.5 86.7,134.4 87,134.7 v1@89.5,134.7
  Bottom Layer w0.5: v1(89.6,134.7) 94.3,134.7 95.68,136.08 SIM1.2
SIM800L_Session: SIM1.6 U1.32 | length 39.6
  Top Layer w0.254: SIM1.6@76.6,138.6 83,138.6 83.4,138.2 83.4,120.7 85.1,119 85.1,110.7 86.323,109.477 U1.32
SIM800L_Sleep: SIM1.7 U1.33 | length 37.6
  Top Layer w0.254: SIM1.7@76.48,136.08 82.52,136.08 82.9,135.7 82.9,120.4 84.6,118.7 84.6,110.5 86.123,108.977 U1.33
SIM800L_VIN: D2.2 E1.1 SIM1.1 | length 3.5
  Bottom Layer w1: SIM1.1 98.06,138.56 101.26,138.56 D2.2@101.4,138.7
SPI1_MOSI: TFT1.4 U1.17 | length 31.2
  Top Layer w0.3: TFT1.4@92.4,141.5 92.188,141.288 92.188,140.388 91.8,140 90.876,140 90.594,139.719 90.594,120.806 91.2,120.2 93.7,120.2 94,119.9 U1.17
SPI1_NSS: TFT1.7 U1.14 | length 39.5
  Top Layer w0.3: U1.14 95.5,121 95.1,121.4 92,121.4 91.8,121.6 91.8,137.481 93.3,138.981 93.3,142.566 93.834,143.1 98.5,143.1 99.8,141.8 TFT1.7@99.8,141.6
SPI1_SCK: TFT1.3 U1.15 | length 31.1
  Top Layer w0.3: v1(91.1,138.5) 91.1,138.478 91.188,138.39 91.188,121.192 91.58,120.8 94.6,120.8 95,120.4 U1.15
  Bottom Layer w0.3: TFT1.3 89.68,141.332 90.5,140.512 90.5,139.1 v1(91.1,138.5)
SPI2_MISO: FLASH1.3 U1.27 | length 23
  Top Layer w0.254: v1(87.3,111.8) 87.424,111.8 87.624,112 U1.27@88.5,112
  Bottom Layer w0.254: v1(87.3,111.8) 87.359,111.8 87.94,111.219 87.94,90.54 FLASH1.3@87.8,90.4
SPI2_MOSI: FLASH1.6 U1.28 | length 26.2
  Top Layer w0.254: U1.28 89.057,111.468 90.032,111.468 90.913,110.587 v1@90.913,110.013
  Bottom Layer w0.254: v1@90.9,110 91,109.9 91,102.449 91.449,102 93.951,102 94.1,101.851 94.1,91.1 94.557,90.643 95.317,90.643 FLASH1.6
  other v1: 91,110
SPI2_NSS: FLASH1.2 U1.25 | length 35
  Top Layer w0.254: U1.25 90.274,112.977 90.423,112.828 90.423,111.677 91.26,110.84 91.86,110.84 v1(91.9,110.8)
  Bottom Layer w0.254: FLASH1.2 85.4,90.406 86.1,91.106 86.1,112.851 86.549,113.3 88.9,113.3 89.8,112.4 89.8,111.1 90.1,110.8 v1(91.9,110.8)
SPI2_SCK: FLASH1.5 U1.26 | length 29.6
  Top Layer w0.254: v1(87.3,112.7) 87.334,112.7 87.557,112.477 U1.26
  Bottom Layer w0.254: v1(87.3,112.7) 88.8,112.7 89,112.5 89,101.549 89.149,101.4 92.84,101.4 93.02,101.22 FLASH1.5
STM32ADC_EN: R5.1 R6.1 U1.38 | length 34.9
  Top Layer w0.254: U1.38 91,107.5 91.5,108 v1@95.5,108 ; R6.1@112.351,117.049 R6.1 ; v1(112.4,115.2) R6.1@112.4,116.8
  Bottom Layer w0.254: v1(95.6,108) 100,108 102.287,105.713 112.213,105.713 112.4,105.9 v1@112.4,115.1
STM32ADC_IN0: R8.1 R9.2 U1.10 | length 29.3
  Top Layer w0.254: U1.10 99.551,111.977 99.7,112.126 99.7,116.7 99.9,116.9 104,116.9 104.4,116.5 104.4,114.8 104.7,114.5 108.851,114.5 109,114.649 109,115.5 109.6,116.1 111.2,116.1 111.5,115.8 111.5,111.249 111.649,111.1 112.2,111.1 R8.1@112.3,111 ; R9.2 R8.1@112.449,110.79
SWCLK: J1.3 U1.37 | length 21.5
  Top Layer w0.254: J1.3 83.351,113.5 83.5,113.351 83.5,107.7 86,105.2 90.479,105.2 90.5,105.221 U1.37
SWDIO: J1.2 U1.34 | length 18.7
  Top Layer w0.254: J1.2 83.911,116.04 84.06,115.891 84.06,110.14 85.7,108.5 U1.34@88.7,108.5
TFT_BLK: TFT1.8 U1.13 | length 42.4
  Top Layer w0.3: U1.13 96,121.7 95.7,122 92.576,122 92.4,122.176 92.4,137.4 93.7,138.7 93.7,142.01 94.39,142.7 98.1,142.7 98.6,142.2 98.6,141.2 99.4,140.4 100.5,140.4 101.483,141.383 102.164,141.383 TFT1.8
TFT_DC: TFT1.6 U1.12 | length 28.9
  Top Layer w0.4: TFT1.6@97.2,141.5 97.3,141.4 97.3,139.405 96.95,139.055 96.95,117.15 97.5,116.6 97.477,116.577 U1.12
TFT_RST: TFT1.5 U1.11 | length 31.1
  Top Layer w0.254: TFT1.5@94.7,141.5 95.003,141.197 95.003,140.497 96.5,139 96.5,113.5 96.136,113.136 96.136,112.764 96.414,112.486 97.468,112.486 U1.11
TIM3_PWM: D1.K R10.1 U1.18 | length 29.6
  Top Layer w0.254: D1.K 74.722,121.5 R10.1 76.6,121.691 76.917,122.008 77.108,122.008 77.6,122.5 81.6,122.5 81.8,122.7 v1@81.8,123.9 ; v1@89.7,124 89.7,121 91,119.7 93.2,119.7 93.5,119.4 U1.18
  Bottom Layer w0.254: v1(81.8,124) 81.85,124.05 89.65,124.05 v1(89.7,124.1)
USART1_RX: SIM1.4 U1.31 | length 37
  Top Layer w0.254: v1(85.1,131) 85.1,119.899 85.7,119.299 85.7,110.8 86.523,109.977 U1.31
  Bottom Layer w0.5: v1(85.1,131) SIM1.4
USART1_TX: SIM1.3 U1.30 | length 37.7
  Top Layer w0.254: v1(85.9,133.5) 85.9,120 86.3,119.6 86.3,111 86.823,110.477 U1.30
  Bottom Layer w0.5: v1(85.9,133.5) 89.6,133.5 89.62,133.52 97.98,133.52 SIM1.3
VCC3V3: C6.2 C7.2 C8.2 C9.2 DC-DC1.4 FLASH1.1 J1.1 R1.2 R5.2 R10.2 R11.2 TFT1.2 U1.9 U1.24 U1.36 U1.48 | length 163.8
  Top Layer w0.254: C6.2 87.812,106.412 87.812,107.212 88.1,107.5 U1.36@89.048,107.5 ; C7.2@87.9,114.1 88.078,113.922 90.479,113.922 U1.24@90.5,113.901 ; U1.36 89.056,107.484 90.184,107.484 93.2,110.5 93.2,111.498 ; U1.24@90.479,115.065 90.5,115.044 U1.24 90.5,113.922 90.509,113.913 90.509,113.491 90.902,113.098 90.902,111.998 91.402,111.498 93.2,111.498 ; U1.48 96,104.4 96.6,103.8 96.6,103.791 97.5,102.891 v1(97.5,102.7) ; U1.9@96.589,111.477 96.581,111.486 96.536,111.486 96.523,111.498 93.2,111.498 ; U1.9 100.628,111.477 100.777,111.626 100.777,114.777 101.492,115.492 101.492,115.682 101.809,116 C8.2 102.19,116 104.19,114 109.483,114 110.5,115.017 R5.2
  Top Layer w0.5: R11.2@76.55,123.31 R11.2 ; TFT1.2@87.14,141.24 TFT1.2@87.4,141.5
  Bottom Layer w0.254: DC-DC1.4@81.205,119.795 81.205,117.195 81.6,116.8 84.7,116.8 v1(87.4,114.1)
  Bottom Layer w0.5: v1(76.5,123.5) v1(78.5,121.5) 79.7,121.5 80.5,120.7 DC-DC1.4@80.5,120.6 ; DC-DC1.4@81.205,119.795 DC-DC1.4 DC-DC1.4@80.5,120.6 ; FLASH1.1@82.8,90.2 82.8,88.793 83.093,88.5 97.207,88.5 97.5,88.793 97.5,100.1 98,100.6 ; FLASH1.1@82.86,90.44 82.86,94.24 82.4,94.7 79.3,94.7 78.8,95.2 78.8,116.28 J1.1 78.52,120.6 DC-DC1.4@80.5,120.6 ; TFT1.2@87.1,141.4 87.14,141.36 87.14,138.633 86.407,137.9 85,137.9 83.5,136.4 83.5,130.4 82.8,129.7 76,129.7 75.3,129 75.3,125.3 75.797,124.803 79.797,124.803 80.5,124.1 DC-DC1.4@80.5,120.6 ; v1@97.5,102.602 97.5,101.1 98,100.6 ; v1(99,100.6) 98,100.6
pads on no net: BTN2.3 BTN4.2 BTN7.2 DC-DC1.1 DC-DC2.1 U1.1 U1.2 X1.0
copper on no net:
  other v2: 79.52,90.8 107.46,90.8 79.52,141.6 107.46,141.6

## Polygon pours and split planes (outlines as drawn)
GND on Top Layer "top_GND" (solid, pour order 0): 73.7,45.7 73.7,141.7 cw(c75.7,141.7) 75.7,143.7 111.7,143.7 cw(c111.7,141.7) 113.7,141.7 113.7,45.7 cw(c111.7,45.7) 111.7,43.7 75.7,43.7 cw(c75.7,45.7)
GND on Bottom Layer "buttom_GND" (solid, pour order 1): 73.7,45.7 73.7,141.7 cw(c75.7,141.7) 75.7,143.7 111.7,143.7 cw(c111.7,141.7) 113.7,141.7 113.7,45.7 cw(c111.7,45.7) 111.7,43.7 75.7,43.7 cw(c75.7,45.7)

## Other copper
Bottom Layer:
  rectangle net NetLi1_2: 84.2,46.6 104.6,49.2
  rectangle net SIM800L_VIN: 100.4,134.3 105.1,139.6

## Text inside footprints (layer, text, board x,y; h text height)
FLASH1: Top Overlay "W25Q64" at 96.606,94.654 h0.6 r90
TFT1: Top Overlay "1.8_128X160 RGB_TFT" at 79.774,93.694 h0.6; Top Overlay "BLK" at 101.734,139.394 h0.6; Top Overlay "CS" at 99.234,139.394 h0.6; Top Overlay "DC" at 96.734,139.394 h0.6; Top Overlay "RST" at 94.234,139.394 h0.6; Top Overlay "SDA" at 91.234,139.394 h0.6; Top Overlay "SCL" at 88.734,139.394 h0.6; Top Overlay "VDD" at 86.226,139.394 h0.6; Top Overlay "GND" at 83.734,139.394 h0.6